# KiCad board explorekb75_square-edge.kicad_pcb
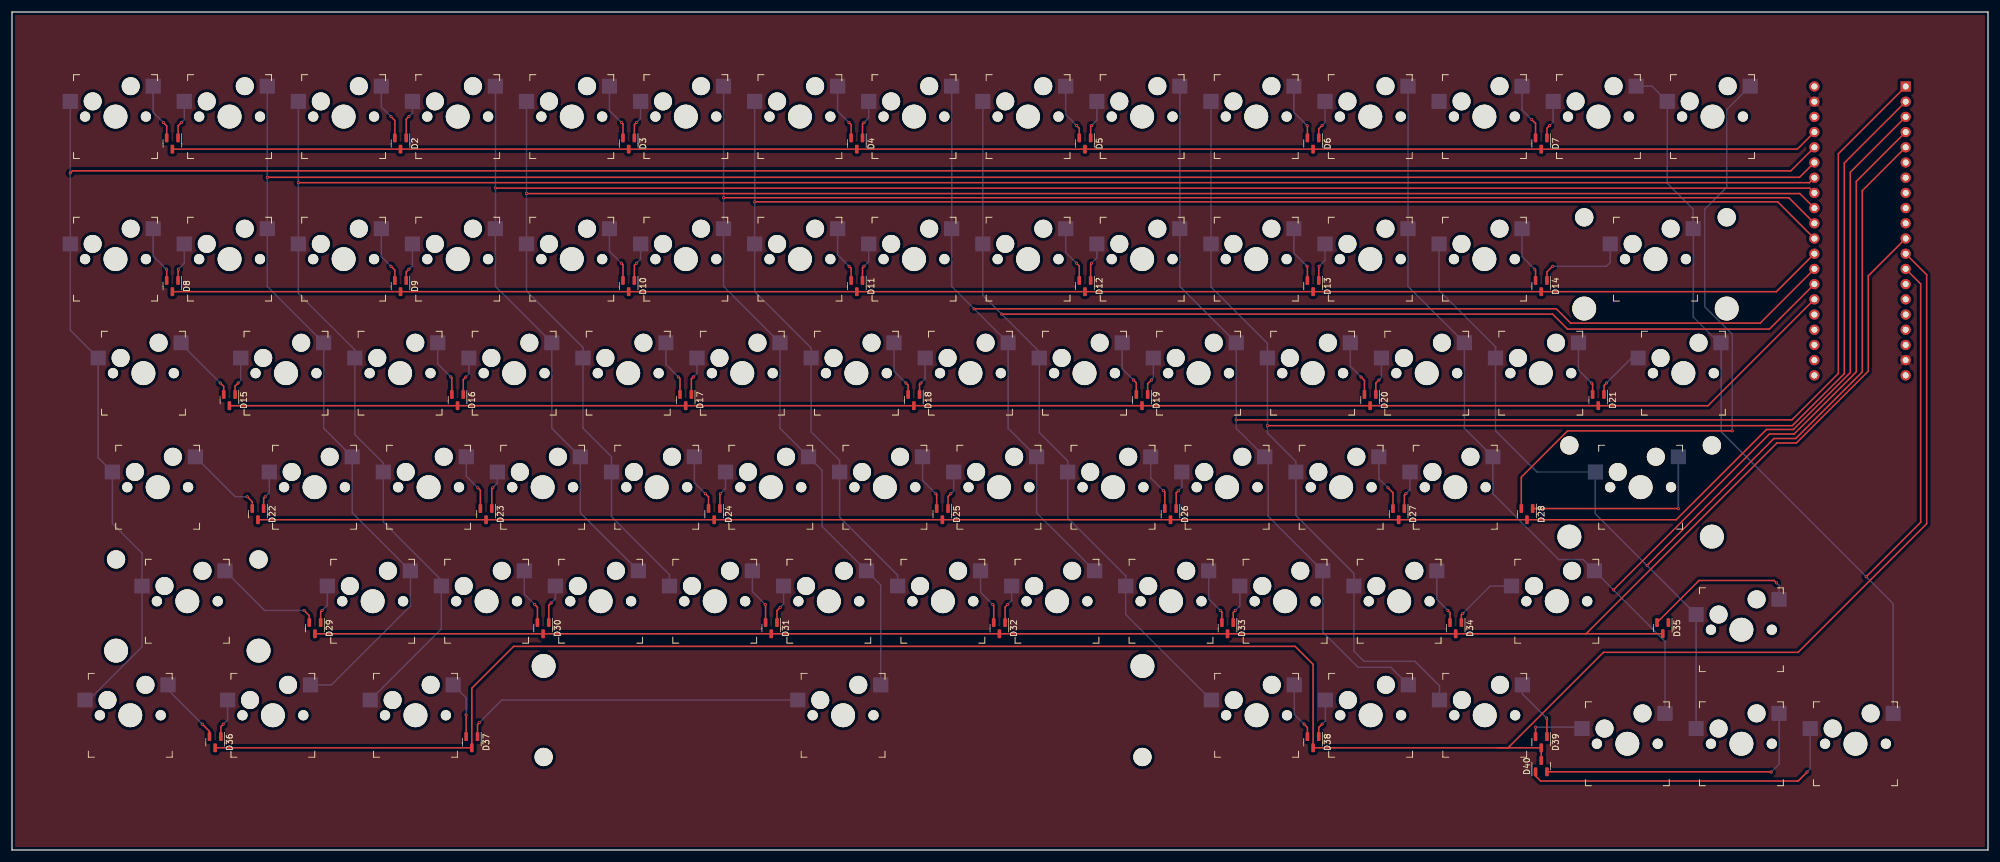
[diagram p0: board, top side]
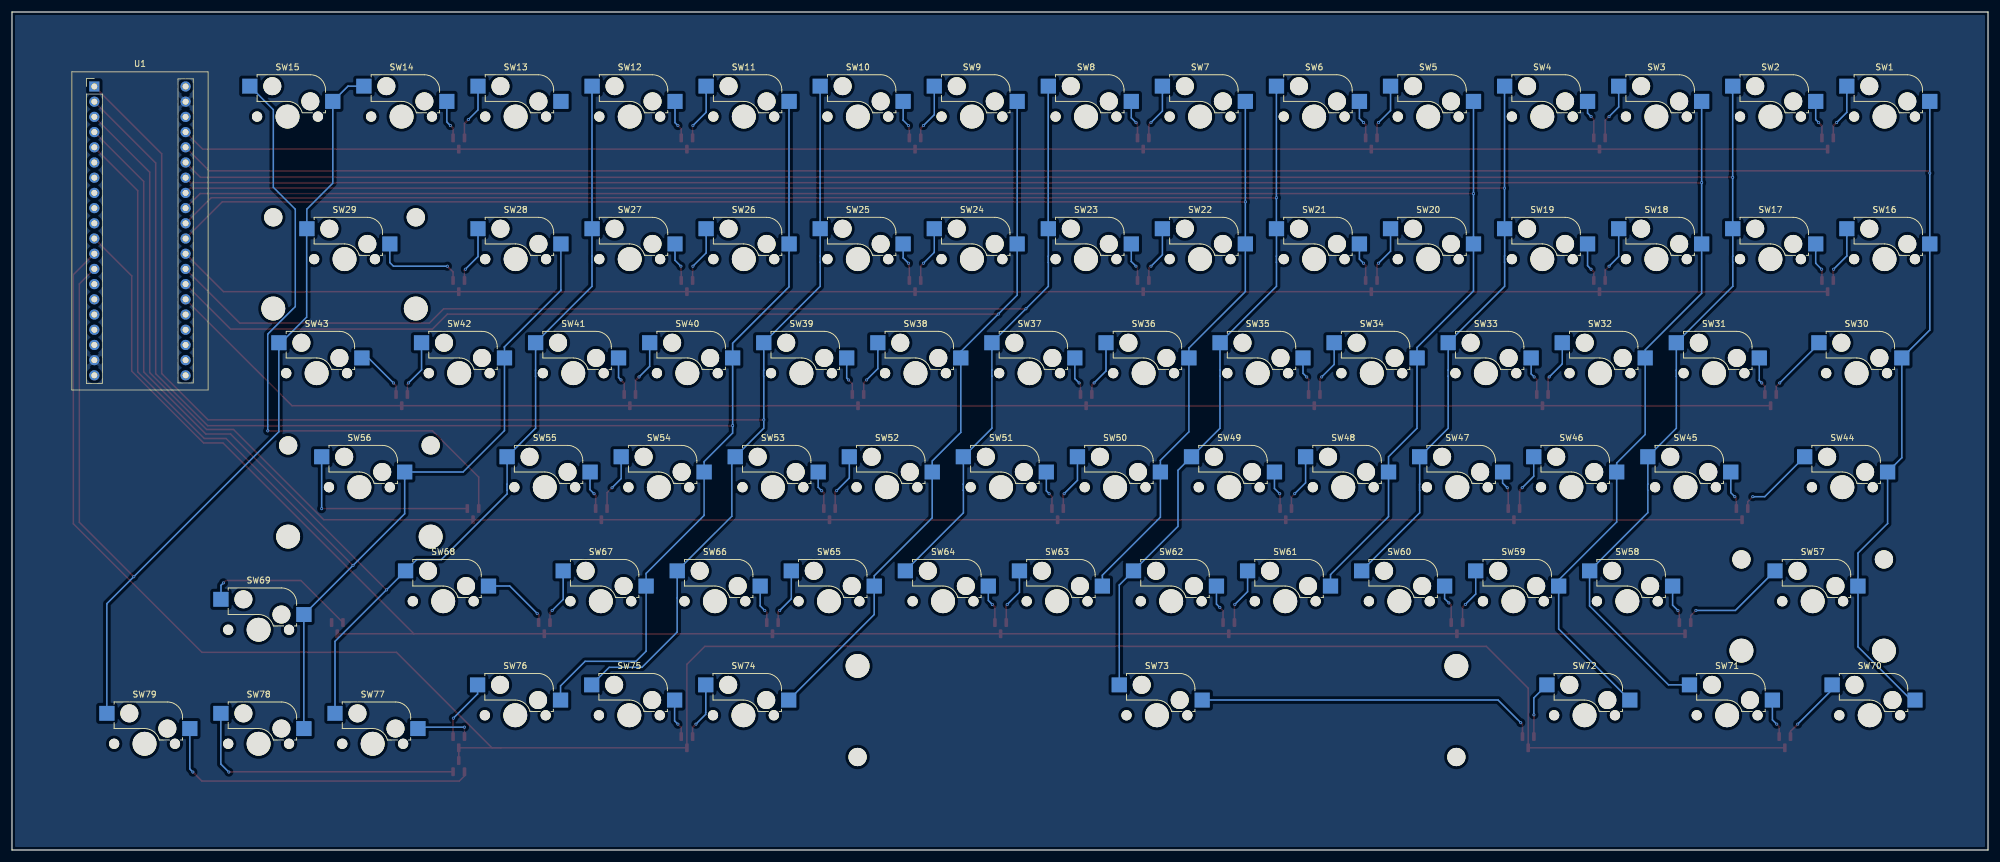
[diagram p1: board, bottom side, seen from below]

Outline 330 x 140 mm; copper layers: Top, Bottom. Coordinates in mm from the lower left corner of the outline.
Outline path: 0,140 330,140 330,0 0,0 0,140
Stack: Top 0.035mm / dielectric 1.51mm FR4 er 4.5 / Bottom 0.035mm

## Placement (name value [footprint] x y rotation side)
D1  BAT54C  [SOT-23]  26.79 118.03 270 top
D2  BAT54C  [SOT-23]  64.89 118.03 270 top
D3  BAT54C  [SOT-23]  102.99 118.03 270 top
D4  BAT54C  [SOT-23]  141.09 118.03 270 top
D5  BAT54C  [SOT-23]  179.19 118.03 270 top
D6  BAT54C  [SOT-23]  217.29 118.03 270 top
D7  BAT54C  [SOT-23]  255.39 118.03 270 top
D8  BAT54C  [SOT-23]  26.79 94.21 270 top
D9  BAT54C  [SOT-23]  64.89 94.21 270 top
D10  BAT54C  [SOT-23]  102.99 94.21 270 top
D11  BAT54C  [SOT-23]  141.09 94.21 270 top
D12  BAT54C  [SOT-23]  179.19 94.21 270 top
D13  BAT54C  [SOT-23]  217.29 94.21 270 top
D14  BAT54C  [SOT-23]  255.39 94.21 270 top
D15  BAT54C  [SOT-23]  36.31 75.16 270 top
D16  BAT54C  [SOT-23]  74.41 75.16 270 top
D17  BAT54C  [SOT-23]  112.51 75.16 270 top
D18  BAT54C  [SOT-23]  150.61 75.16 270 top
D19  BAT54C  [SOT-23]  188.71 75.16 270 top
D20  BAT54C  [SOT-23]  226.81 75.16 270 top
D21  BAT54C  [SOT-23]  264.91 75.16 270 top
D22  BAT54C  [SOT-23]  41.08 56.11 270 top
D23  BAT54C  [SOT-23]  79.17 56.11 270 top
D24  BAT54C  [SOT-23]  117.27 56.11 270 top
D25  BAT54C  [SOT-23]  155.38 56.11 270 top
D26  BAT54C  [SOT-23]  193.48 56.11 270 top
D27  BAT54C  [SOT-23]  231.58 56.11 270 top
D28  BAT54C  [SOT-23]  253.01 56.11 270 top
D29  BAT54C  [SOT-23]  50.6 37.06 270 top
D30  BAT54C  [SOT-23]  88.7 37.06 270 top
D31  BAT54C  [SOT-23]  126.8 37.06 270 top
D32  BAT54C  [SOT-23]  164.9 37.06 270 top
D33  BAT54C  [SOT-23]  203 37.06 270 top
D34  BAT54C  [SOT-23]  241.1 37.06 270 top
D35  BAT54C  [SOT-23]  275.68 37.06 270 top
D36  BAT54C  [SOT-23]  33.93 18.01 270 top
D37  BAT54C  [SOT-23]  76.79 18.01 270 top
D38  BAT54C  [SOT-23]  217.29 18.01 270 top
D39  BAT54C  [SOT-23]  255.39 18.01 270 top
D40  BAT54C  [SOT-23]  255.39 14.01 90 top
STAB1  -  [Stabilizer_MX_2u]  274.46 98.71 0 top
STAB2  -  [Stabilizer_MX_2u]  271.98 60.61 0 top
STAB3  -  [Stabilizer_MX_2u]  29.28 41.56 0 top
STAB4  -  [Stabilizer_Cherry_MX_6.25u]  138.79 22.53 180 top
SW1  SW_SPST  [Kailh_socket_MX]  17.29 122.53 0 top
SW2  SW_SPST  [Kailh_socket_MX]  36.34 122.53 0 top
SW3  SW_SPST  [Kailh_socket_MX]  55.39 122.53 0 top
SW4  SW_SPST  [Kailh_socket_MX]  74.44 122.53 0 top
SW5  SW_SPST  [Kailh_socket_MX]  93.49 122.53 0 top
SW6  SW_SPST  [Kailh_socket_MX]  112.54 122.53 0 top
SW7  SW_SPST  [Kailh_socket_MX]  131.59 122.53 0 top
SW8  SW_SPST  [Kailh_socket_MX]  150.64 122.53 0 top
SW9  SW_SPST  [Kailh_socket_MX]  169.69 122.53 0 top
SW10  SW_SPST  [Kailh_socket_MX]  188.74 122.53 0 top
SW11  SW_SPST  [Kailh_socket_MX]  207.79 122.53 0 top
SW12  SW_SPST  [Kailh_socket_MX]  226.84 122.53 0 top
SW13  SW_SPST  [Kailh_socket_MX]  245.89 122.53 0 top
SW14  SW_SPST  [Kailh_socket_MX]  264.94 122.53 0 top
SW15  SW_SPST  [Kailh_socket_MX]  283.99 122.53 0 top
SW16  SW_SPST  [Kailh_socket_MX]  17.29 98.71 0 top
SW17  SW_SPST  [Kailh_socket_MX]  36.34 98.71 0 top
SW18  SW_SPST  [Kailh_socket_MX]  55.39 98.71 0 top
SW19  SW_SPST  [Kailh_socket_MX]  74.44 98.71 0 top
SW20  SW_SPST  [Kailh_socket_MX]  93.49 98.71 0 top
SW21  SW_SPST  [Kailh_socket_MX]  112.54 98.71 0 top
SW22  SW_SPST  [Kailh_socket_MX]  131.59 98.71 0 top
SW23  SW_SPST  [Kailh_socket_MX]  150.64 98.71 0 top
SW24  SW_SPST  [Kailh_socket_MX]  169.69 98.71 0 top
SW25  SW_SPST  [Kailh_socket_MX]  188.74 98.71 0 top
SW26  SW_SPST  [Kailh_socket_MX]  207.79 98.71 0 top
SW27  SW_SPST  [Kailh_socket_MX]  226.84 98.71 0 top
SW28  SW_SPST  [Kailh_socket_MX]  245.89 98.71 0 top
SW29  SW_SPST  [Kailh_socket_MX]  274.46 98.71 0 top
SW30  SW_SPST  [Kailh_socket_MX]  21.95 79.66 0 top
SW31  SW_SPST  [Kailh_socket_MX]  45.76 79.66 0 top
SW32  SW_SPST  [Kailh_socket_MX]  64.81 79.66 0 top
SW33  SW_SPST  [Kailh_socket_MX]  83.86 79.66 0 top
SW34  SW_SPST  [Kailh_socket_MX]  102.91 79.66 0 top
SW35  SW_SPST  [Kailh_socket_MX]  121.96 79.66 0 top
SW36  SW_SPST  [Kailh_socket_MX]  141.01 79.66 0 top
SW37  SW_SPST  [Kailh_socket_MX]  160.06 79.66 0 top
SW38  SW_SPST  [Kailh_socket_MX]  179.11 79.66 0 top
SW39  SW_SPST  [Kailh_socket_MX]  198.16 79.66 0 top
SW40  SW_SPST  [Kailh_socket_MX]  217.21 79.66 0 top
SW41  SW_SPST  [Kailh_socket_MX]  236.26 79.66 0 top
SW42  SW_SPST  [Kailh_socket_MX]  255.31 79.66 0 top
SW43  SW_SPST  [Kailh_socket_MX]  279.12 79.66 0 top
SW44  SW_SPST  [Kailh_socket_MX]  24.33 60.61 0 top
SW45  SW_SPST  [Kailh_socket_MX]  50.53 60.61 0 top
SW46  SW_SPST  [Kailh_socket_MX]  69.58 60.61 0 top
SW47  SW_SPST  [Kailh_socket_MX]  88.63 60.61 0 top
SW48  SW_SPST  [Kailh_socket_MX]  107.67 60.61 0 top
SW49  SW_SPST  [Kailh_socket_MX]  126.73 60.61 0 top
SW50  SW_SPST  [Kailh_socket_MX]  145.77 60.61 0 top
SW51  SW_SPST  [Kailh_socket_MX]  164.82 60.61 0 top
SW52  SW_SPST  [Kailh_socket_MX]  183.88 60.61 0 top
SW53  SW_SPST  [Kailh_socket_MX]  202.93 60.61 0 top
SW54  SW_SPST  [Kailh_socket_MX]  221.98 60.61 0 top
SW55  SW_SPST  [Kailh_socket_MX]  241.03 60.61 0 top
SW56  SW_SPST  [Kailh_socket_MX]  271.98 60.61 0 top
SW57  SW_SPST  [Kailh_socket_MX]  29.28 41.56 0 top
SW58  SW_SPST  [Kailh_socket_MX]  60.24 41.56 0 top
SW59  SW_SPST  [Kailh_socket_MX]  79.26 41.56 0 top
SW60  SW_SPST  [Kailh_socket_MX]  98.31 41.56 0 top
SW61  SW_SPST  [Kailh_socket_MX]  117.36 41.56 0 top
SW62  SW_SPST  [Kailh_socket_MX]  136.41 41.56 0 top
SW63  SW_SPST  [Kailh_socket_MX]  155.46 41.56 0 top
SW64  SW_SPST  [Kailh_socket_MX]  174.51 41.56 0 top
SW65  SW_SPST  [Kailh_socket_MX]  193.56 41.56 0 top
SW66  SW_SPST  [Kailh_socket_MX]  212.61 41.56 0 top
SW67  SW_SPST  [Kailh_socket_MX]  231.66 41.56 0 top
SW68  SW_SPST  [Kailh_socket_MX]  257.98 41.56 0 top
SW69  SW_SPST  [Kailh_socket_MX]  288.81 36.8 0 top
SW70  SW_SPST  [Kailh_socket_MX]  19.76 22.51 0 top
SW71  SW_SPST  [Kailh_socket_MX]  43.57 22.51 0 top
SW72  SW_SPST  [Kailh_socket_MX]  67.38 22.51 0 top
SW73  SW_SPST  [Kailh_socket_MX]  138.79 22.51 0 top
SW74  SW_SPST  [Kailh_socket_MX]  207.85 22.51 0 top
SW75  SW_SPST  [Kailh_socket_MX]  226.9 22.51 0 top
SW76  SW_SPST  [Kailh_socket_MX]  245.95 22.51 0 top
SW77  SW_SPST  [Kailh_socket_MX]  269.76 17.75 0 top
SW78  SW_SPST  [Kailh_socket_MX]  288.81 17.75 0 top
SW79  SW_SPST  [Kailh_socket_MX]  307.86 17.75 0 top
U1  YAAJ_WeAct_BlackPill_Part_Like  [YAAJ_WeAct_BlackPill_2]  316.25 127.56 180 bottom

## Footprints (pads in the part's own frame, mm; a bottom-side part is the same pattern mirrored in y, then rotated)
Kailh_socket_MX
  round 1.702 hole 1.702 unplated: (-5.08,0) (5.08,0)
  round 3 hole 3 unplated: (-3.81,2.54) (2.54,5.08)
  round 3.988 hole 3.988 unplated: (0,0)
  rect 2.55x2.5 smd far side: 1(6.29,5.08) 2(-7.56,2.54)
SOT-23
  rrect 1.475x0.6 smd: 1(-0.938,0.95) 2(-0.938,-0.95) 3(0.938,0)
Stabilizer_Cherry_MX_6.25u
  round 3.048 hole 3.048 unplated: (-50,6.985) (50,6.985)
  round 3.988 hole 3.988 unplated: (-50,-8.225) (50,-8.225)
Stabilizer_MX_2u
  round 3.048 hole 3.048 unplated: (-11.9,6.985) (11.9,6.985)
  round 3.988 hole 3.988 unplated: (-11.9,-8.255) (11.9,-8.255)
YAAJ_WeAct_BlackPill_2
  rect 1.7x1.7 hole 1: 1(0,0)
  round 1.7 hole 1: 2(0,-2.54) 3(0,-5.08) 4(0,-7.62) 5(0,-10.16) 6(0,-12.7) 7(0,-15.24) 8(0,-17.78) 9(0,-20.32) 10(0,-22.86) 11(0,-25.4) 12(0,-27.94) 13(0,-30.48) 14(0,-33.02) 15(0,-35.56) 16(0,-38.1) 17(0,-40.64) 18(0,-43.18) 19(0,-45.72) 20(0,-48.26) 21(15.24,-48.26) 22(15.24,-45.72) 23(15.24,-43.18) 24(15.24,-40.64) 25(15.24,-38.1) 26(15.24,-35.56) 27(15.24,-33.02) 28(15.24,-30.48) 29(15.24,-27.94) 30(15.24,-25.4) 31(15.24,-22.86) 32(15.24,-20.32) 33(15.24,-17.78) 34(15.24,-15.24) 35(15.24,-12.7) 36(15.24,-10.16) 37(15.24,-7.62) 38(15.24,-5.08) 39(15.24,-2.54) 40(15.24,0)

## Nets
GND: U1.19 U1.39
/COL 0: SW1.2 SW16.2 SW30.2 SW44.2 SW57.2 SW70.2 U1.36
/COL 1: SW2.1 SW17.1 SW31.1 SW45.1 SW58.1 SW71.1 U1.35
/COL 2: SW3.2 SW18.2 SW32.2 SW46.2 SW59.2 SW72.2 U1.34
/COL 3: SW4.1 SW19.1 SW33.1 SW47.1 SW60.1 U1.33
/COL 4: SW5.2 SW20.2 SW34.2 SW48.2 SW61.2 U1.32
/COL 5: SW6.1 SW21.1 SW35.1 SW49.1 SW62.1 SW73.1 U1.31
/COL 6: SW7.2 SW22.2 SW36.2 SW50.2 SW63.2 U1.30
/COL 7: SW8.1 SW23.1 SW37.1 SW51.1 SW64.1 U1.28
/COL 8: SW9.2 SW24.2 SW38.2 SW52.2 SW65.2 SW74.2 U1.27
/COL 9: SW10.1 SW25.1 SW39.1 SW53.1 SW66.1 SW75.1 U1.1
/COL 10: SW11.2 SW26.2 SW40.2 SW54.2 SW67.2 SW76.2 U1.2
/COL 11: SW12.1 SW27.1 SW41.1 SW55.1 SW68.1 SW77.1 U1.4
/COL 12: SW13.2 SW28.2 SW42.2 SW56.2 SW69.2 SW78.2 U1.5
/COL 13: SW14.1 SW15.2 SW29.1 SW43.1 SW79.1 U1.13
/ROW 0: D1.3 D2.3 D3.3 D4.3 D5.3 D6.3 D7.3 U1.37
/ROW 1: D8.3 D9.3 D10.3 D11.3 D12.3 D13.3 D14.3 U1.29
/ROW 2: D15.3 D16.3 D17.3 D18.3 D19.3 D20.3 D21.3 U1.26
/ROW 3: D22.3 D23.3 D24.3 D25.3 D26.3 D27.3 D28.3 U1.3
/ROW 4: D29.3 D30.3 D31.3 D32.3 D33.3 D34.3 D35.3 U1.11
/ROW 5: D36.3 D37.3 D38.3 D39.3 D40.3 U1.12
/~{RST}: U1.25
Net-(D1-Pad1): D1.1 SW2.2
Net-(D1-Pad2): D1.2 SW1.1
Net-(D2-Pad1): D2.1 SW4.2
Net-(D2-Pad2): D2.2 SW3.1
Net-(D3-Pad1): D3.1 SW6.2
Net-(D3-Pad2): D3.2 SW5.1
Net-(D4-Pad1): D4.1 SW8.2
Net-(D4-Pad2): D4.2 SW7.1
Net-(D5-Pad1): D5.1 SW10.2
Net-(D5-Pad2): D5.2 SW9.1
Net-(D6-Pad1): D6.1 SW12.2
Net-(D6-Pad2): D6.2 SW11.1
Net-(D7-Pad1): D7.1 SW14.2
Net-(D8-Pad1): D8.1 SW17.2
Net-(D8-Pad2): D8.2 SW16.1
Net-(D9-Pad1): D9.1 SW19.2
Net-(D10-Pad1): D10.1 SW21.2
Net-(D10-Pad2): D10.2 SW20.1
Net-(D11-Pad1): D11.1 SW23.2
Net-(D12-Pad1): D12.1 SW25.2
Net-(D12-Pad2): D12.2 SW24.1
Net-(D13-Pad1): D13.1 SW27.2
Net-(D13-Pad2): D13.2 SW26.1
Net-(D14-Pad1): D14.1 SW29.2
Net-(D14-Pad2): D14.2 SW28.1
Net-(D15-Pad1): D15.1 SW31.2
Net-(D15-Pad2): D15.2 SW30.1
Net-(D16-Pad1): D16.1 SW33.2
Net-(D16-Pad2): D16.2 SW32.1
Net-(D17-Pad1): D17.1 SW35.2
Net-(D17-Pad2): D17.2 SW34.1
Net-(D18-Pad1): D18.1 SW37.2
Net-(D18-Pad2): D18.2 SW36.1
Net-(D19-Pad1): D19.1 SW39.2
Net-(D19-Pad2): D19.2 SW38.1
Net-(D20-Pad1): D20.1 SW41.2
Net-(D20-Pad2): D20.2 SW40.1
Net-(D21-Pad1): D21.1 SW43.2
Net-(D21-Pad2): D21.2 SW42.1
Net-(D22-Pad1): D22.1 SW45.2
Net-(D22-Pad2): D22.2 SW44.1
Net-(D23-Pad1): D23.1 SW47.2
Net-(D23-Pad2): D23.2 SW46.1
Net-(D24-Pad1): D24.1 SW49.2
Net-(D24-Pad2): D24.2 SW48.1
Net-(D25-Pad1): D25.1 SW51.2
Net-(D25-Pad2): D25.2 SW50.1
Net-(D26-Pad1): D26.1 SW53.2
Net-(D26-Pad2): D26.2 SW52.1
Net-(D27-Pad1): D27.1 SW55.2
Net-(D27-Pad2): D27.2 SW54.1
Net-(D28-Pad1): D28.1 SW56.1
Net-(D28-Pad2): D28.2 SW15.1
Net-(D29-Pad1): D29.1 SW58.2
Net-(D29-Pad2): D29.2 SW57.1
Net-(D30-Pad1): D30.1 SW60.2
Net-(D30-Pad2): D30.2 SW59.1
Net-(D31-Pad1): D31.1 SW62.2
Net-(D31-Pad2): D31.2 SW61.1
Net-(D32-Pad1): D32.1 SW64.2
Net-(D32-Pad2): D32.2 SW63.1
Net-(D33-Pad1): D33.1 SW66.2
Net-(D33-Pad2): D33.2 SW65.1
Net-(D34-Pad1): D34.1 SW68.2
Net-(D34-Pad2): D34.2 SW67.1
Net-(D35-Pad2): D35.2 SW69.1
Net-(D36-Pad1): D36.1 SW71.2
Net-(D36-Pad2): D36.2 SW70.1
Net-(D37-Pad1): D37.1 SW73.2
Net-(D37-Pad2): D37.2 SW72.1
Net-(D38-Pad1): D38.1 SW75.2
Net-(D38-Pad2): D38.2 SW74.1
Net-(D39-Pad1): D39.1 SW76.1
Net-(D39-Pad2): D39.2 SW77.2
Net-(D40-Pad1): D40.1 SW79.2
Net-(D40-Pad2): D40.2 SW78.1
Net-(SW13-Pad1): D7.2 SW13.1
Net-(SW18-Pad1): D9.2 SW18.1
Net-(SW22-Pad1): D11.2 SW22.1

Pads without a net: D35 1; U1 6 7 8 9 10 14 15 16 17 18 20 21 22 23 24 38 40

## Via types
v1: diameter 0.5, hole 0.25, Top to Bottom, 93 vias

## Routing (per net, layer and track width the routed paths; a pad name or vN(x,y) marks a point on that pad's centre or on a via; arc(x,y) is an arc through that point)
/COL 0: length 402.4
  Top w0.25: U1.36 297.07,113.46 10.1,113.46 v1(9.73,113.09)
  Bottom w0.25: SW70.2 12.81,25.05 21.72,33.96 SW57.2 21.72,49.59 16.77,54.54 SW44.2 14.39,65.53 SW30.2 9.73,86.87 SW16.2 9.73,125.07
/COL 1: length 378.3
  Top w0.25: U1.35 298.53,112.38 v1(42.64,112.38)
  Bottom w0.25: SW2.1 42.64,127.59 42.64,103.81 SW17.1 42.63,99.24 42.64,99.22 42.64,98.2 42.63,98.19 42.63,94.17 SW31.1 52.05,80.19 52.07,80.17 52.07,79.15 52.05,79.14 52.05,70.46 SW45.1 56.81,61.14 56.83,61.12 56.83,60.1 56.81,60.09 56.81,56.36 SW58.1 66.54,46.63 66.54,40.78 53.36,27.59 SW71.1
/COL 2: length 368.3
  Top w0.25: U1.34 300.18,111.49 v1(47.83,111.49)
  Bottom w0.25: SW72.2 71.7,36.93 SW59.2 71.7,45.11 62.02,54.8 SW46.2 62.02,64.65 57.25,69.42 SW32.2 57.25,83.56 47.83,92.99 SW18.2 47.83,125.07
/COL 3: length 311.5
  Top w0.25: U1.33 300.21,110.57 v1(80.74,110.57)
  Bottom w0.25: SW60.1 94.92,56.33 94.92,60.09 94.93,60.1 94.93,61.12 94.92,61.14 SW47.1 90.15,70.46 90.15,79.14 90.17,79.15 90.17,80.17 90.15,80.19 SW33.1 80.73,94.17 80.73,98.19 80.74,98.2 80.74,99.22 80.73,99.24 SW19.1 80.74,103.81 80.74,127.59 SW4.1
/COL 4: length 306.9
  Top w0.25: U1.32 298.58,109.67 v1(85.93,109.67)
  Bottom w0.25: 85.93,125.07 SW20.2 85.93,93.39 95.35,83.96 SW34.2 95.35,70.46 100.11,65.7 SW48.2 100.11,55.7 109.8,46.01 SW61.2
/COL 5: length 294.9
  Top w0.25: v1(118.84,108.97) 296.73,108.97 U1.31
  Bottom w0.25: SW73.1 145.08,44.26 SW62.1 135.29,54.06 135.29,63.42 SW49.1 128.25,70.46 128.25,79.14 128.27,79.15 128.27,80.17 128.25,80.19 SW35.1 118.83,94.17 118.83,98.19 118.84,98.2 118.84,99.22 118.83,99.24 SW21.1 118.84,103.81 118.84,127.59 SW6.1
/COL 6: length 270.4
  Top w0.25: v1(124.03,108.29) 294.88,108.29 U1.30
  Bottom w0.25: SW63.2 147.9,45.91 138.22,55.6 SW50.2 138.22,65.1 133.45,69.86 SW36.2 133.45,83.86 124.03,93.29 SW22.2 124.03,125.07
/COL 7: length 236
  Top w0.25: v1(160.68,90.42) 257.9,90.42 260.29,88.03 291.96,88.03 U1.28
  Bottom w0.25: SW8.1 156.94,127.59 156.94,103.81 SW23.1 156.93,99.24 156.94,99.22 156.94,98.2 156.93,98.19 156.93,94.17 SW37.1 166.35,80.19 166.37,80.17 166.37,79.15 166.35,79.14 166.35,70.46 SW51.1 171.12,61.14 171.13,61.12 171.13,60.1 171.12,60.09 171.12,56.33 SW64.1
/COL 8: length 255.7
  Top w0.25: U1.27 293.5,87.03 259.79,87.03 257.29,89.53 v1(165.29,89.53)
  Bottom w0.25: 162.13,125.07 SW24.2 162.13,92.69 171.55,83.26 SW38.2 171.55,69.76 176.31,65 SW52.2 176.31,55.5 186,45.81 SW65.2 186,39.34 SW74.2
/COL 9: length 275.4
  Top w0.25: v1(204.45,71.86) 297.26,71.86 305,79.6 305,116.31 U1.1
  Bottom w0.25: SW75.1 230.26,30.53 224.79,30.53 218.92,36.39 218.92,42.07 218.9,42.09 SW66.1 209.79,55.76 209.79,65.12 SW53.1 204.45,70.46 204.45,79.14 204.47,79.15 204.47,80.17 204.45,80.19 SW39.1 195.03,94.17 195.03,98.19 195.04,98.2 195.04,99.22 195.03,99.24 SW25.1 195.04,103.81 195.04,127.59 SW10.1
/COL 10: length 270.4
  Top w0.25: U1.2 306,114.77 306,79.58 297.32,70.89 v1(209.65,70.89)
  Bottom w0.25: 200.23,125.07 SW26.2 200.23,94.09 209.65,84.66 SW40.2 209.65,69.66 214.42,64.9 SW54.2 214.42,55.9 224.1,46.21 SW67.2 224.1,33.21 225.79,31.53 234.29,31.53 238.39,27.42 SW76.2
/COL 11: length 224.1
  Top w0.25: v1(267.46,43.46) 293.5,69.5 297.62,69.5 308,79.88 308,111.69 U1.4
  Bottom w0.25: SW77.1 276.05,34.86 SW68.1 262.4,48.52 258.29,48.52 247.31,59.5 247.31,60.09 247.33,60.1 247.33,61.12 247.31,61.14 SW55.1 242.55,70.46 242.55,79.14 242.57,79.15 242.57,80.17 242.55,80.19 SW41.1 233.13,94.17 233.13,98.19 233.14,98.2 233.14,99.22 233.13,99.24 SW27.1 233.14,103.81 233.14,127.59 SW12.1
/COL 12: length 194.4
  Top w0.25: v1(273.05,47.55) 294.25,68.75 297.88,68.75 309,79.87 309,110.15 U1.5
  Bottom w0.25: SW78.2 SW69.2 v1(273.05,47.55) 264.42,56.17 SW56.2 254.66,63.15 247.75,70.06 SW42.2 247.75,83.99 247.79,84.03 238.33,93.49 SW28.2
/COL 13: length 180.5
  Top w0.25: U1.13 318.75,94.57 318.75,54.75 v1(309.66,45.66)
  Bottom w0.25: SW79.1 314.15,41.16 285.43,69.88 285.43,84.73 SW43.1 285.07,84.74 280.79,89.03 280.79,103.76 SW29.1 280.75,107.06 276.43,111.39 276.43,125.07 273.89,127.61 SW14.1
/ROW 0: length 275.4
  Top w0.25: D1.3 D2.3 D3.3 D4.3 D5.3 D6.3 D7.3 298.16,117.09 U1.37
/ROW 1: length 276.8
  Top w0.25: D8.3 D9.3 D14.3 294.67,93.28 U1.29
/ROW 2: length 272.1
  Top w0.25: U1.26 283.24,74.23 D21.3 D15.3
/ROW 3: length 322.7
  Top w0.25: D22.3 D28.3 277.93,55.18 293,70.25 297.49,70.25 307,79.76 307,113.23 U1.3
/ROW 4: length 315.1
  Top w0.25: 262.88,36.13 D32.3 D31.3 D29.3 ; 262.88,36.13 294.75,68 298,68 310,80 310,95.91 U1.11 ; 262.88,36.13 D35.3
/ROW 5: length 385.1
  Top w0.25: D36.3 D37.3 76.79,27.03 83.79,34.03 214.29,34.03 217.29,31.03 D38.3 248.34,17.08 ; 248.34,17.08 D39.3 D40.3 ; 248.34,17.08 249.84,17.08 265.79,33.03 298.28,33.03 319.75,54.5 319.75,96.11 U1.12
Net-(D1-Pad1): length 6.5
  Top w0.25: D1.1 27.74,120.98 v1(28.29,121.53)
  Bottom w0.25: v1(28.29,121.53) 28.78,122.02 28.78,125.07
Net-(D1-Pad2): length 9.6
  Top w0.25: v1(25.29,121.53) 25.84,120.98 D1.2
  Bottom w0.25: SW1.1 23.58,123.24 v1(25.29,121.53)
Net-(D2-Pad1): length 6.5
  Top w0.25: D2.1 65.84,122.08 v1(66.29,122.53)
  Bottom w0.25: v1(66.29,122.53) 66.88,123.12 66.88,125.07
Net-(D2-Pad2): length 9.6
  Top w0.25: v1(63.29,122.53) 63.94,121.88 D2.2
  Bottom w0.25: SW3.1 61.68,124.14 v1(63.29,122.53)
Net-(D3-Pad1): length 6.5
  Top w0.25: D3.1 103.94,121.18 v1(104.29,121.53)
  Bottom w0.25: v1(104.29,121.53) 104.98,122.22 104.98,125.07
Net-(D3-Pad2): length 9.6
  Top w0.25: D3.2 102.04,121.28 v1(101.79,121.53)
  Bottom w0.25: SW5.1 99.78,123.54 v1(101.79,121.53)
Net-(D4-Pad1): length 6.5
  Top w0.25: v1(142.29,121.53) 142.04,121.28 D4.1
  Bottom w0.25: v1(142.29,121.53) 143.08,122.32 143.08,125.07
Net-(D4-Pad2): length 9.6
  Top w0.25: D4.2 140.14,121.18 v1(139.79,121.53)
  Bottom w0.25: SW7.1 137.88,123.44 v1(139.79,121.53)
Net-(D5-Pad1): length 6.5
  Top w0.25: v1(180.29,121.03) 180.14,120.88 D5.1
  Bottom w0.25: 181.18,125.07 181.18,121.92 v1(180.29,121.03)
Net-(D5-Pad2): length 9.6
  Top w0.25: v1(177.79,121.03) 178.24,120.58 D5.2
  Bottom w0.25: SW9.1 175.98,122.84 v1(177.79,121.03)
Net-(D6-Pad1): length 6.5
  Top w0.25: D6.1 218.24,120.48 v1(218.79,121.03)
  Bottom w0.25: v1(218.79,121.03) 219.28,121.52 219.28,125.07
Net-(D6-Pad2): length 9.6
  Top w0.25: D6.2 216.34,120.98 v1(216.29,121.03)
  Bottom w0.25: v1(216.29,121.03) 214.08,123.24 SW11.1
Net-(D7-Pad1): length 6.5
  Top w0.25: v1(256.79,121.03) 256.34,120.58 D7.1
  Bottom w0.25: v1(256.79,121.03) 257.38,121.62 257.38,125.07
Net-(D8-Pad1): length 6.5
  Top w0.25: D8.1 27.74,96.98 v1(27.79,97.03)
  Bottom w0.25: SW17.2 28.78,98.02 v1(27.79,97.03)
Net-(D8-Pad2): length 9.6
  Top w0.25: v1(25.79,97.03) 25.84,96.98 D8.2
  Bottom w0.25: SW16.1 23.58,99.24 v1(25.79,97.03)
Net-(D9-Pad1): length 6.5
  Top w0.25: v1(66.29,97.03) 65.84,96.58 D9.1
  Bottom w0.25: v1(66.29,97.03) 66.88,97.62 SW19.2
Net-(D10-Pad1): length 6.5
  Top w0.25: D10.1 103.94,97.68 v1(104.29,98.03)
  Bottom w0.25: SW21.2 104.98,98.72 v1(104.29,98.03)
Net-(D10-Pad2): length 9.6
  Top w0.25: D10.2 102.04,97.78 v1(101.79,98.03)
  Bottom w0.25: v1(101.79,98.03) 99.78,100.04 SW20.1
Net-(D11-Pad1): length 6.5
  Top w0.25: v1(142.29,97.53) 142.04,97.28 D11.1
  Bottom w0.25: SW23.2 143.08,98.32 v1(142.29,97.53)
Net-(D12-Pad1): length 6.5
  Top w0.25: D12.1 180.14,97.88 v1(180.29,98.03)
  Bottom w0.25: SW25.2 181.18,98.92 v1(180.29,98.03)
Net-(D12-Pad2): length 9.6
  Top w0.25: v1(177.79,98.03) 178.24,97.58 D12.2
  Bottom w0.25: v1(177.79,98.03) 175.98,99.84 SW24.1
Net-(D13-Pad1): length 6.5
  Top w0.25: D13.1 218.24,97.48 v1(218.29,97.53)
  Bottom w0.25: v1(218.29,97.53) 219.28,98.52 SW27.2
Net-(D13-Pad2): length 9.6
  Top w0.25: D13.2 216.34,97.48 v1(216.29,97.53)
  Bottom w0.25: SW26.1 214.08,99.74 v1(216.29,97.53)
Net-(D14-Pad1): length 15.8
  Top w0.25: v1(257.29,97.53) 256.34,96.58 D14.1
  Bottom w0.25: v1(257.29,97.53) 266.29,97.53 266.9,98.14 SW29.2
Net-(D14-Pad2): length 9.6
  Top w0.25: v1(254.29,97.03) 254.44,96.88 D14.2
  Bottom w0.25: SW28.1 252.18,99.14 v1(254.29,97.03)
Net-(D15-Pad1): length 6.5
  Top w0.25: D15.1 37.26,77.5 v1(37.79,78.03)
  Bottom w0.25: SW31.2 38.2,78.44 v1(37.79,78.03)
Net-(D15-Pad2): length 11.6
  Top w0.25: D15.2 35.36,77.45 v1(34.79,78.03)
  Bottom w0.25: SW30.1 28.24,84.57 v1(34.79,78.03)
Net-(D16-Pad1): length 6.5
  Top w0.25: D16.1 75.36,78.6 v1(75.79,79.03)
  Bottom w0.25: v1(75.79,79.03) 76.3,79.54 SW33.2
Net-(D16-Pad2): length 9.6
  Top w0.25: v1(73.29,79.03) 73.46,78.85 D16.2
  Bottom w0.25: v1(73.29,79.03) 71.1,81.21 SW32.1
Net-(D17-Pad1): length 6.5
  Top w0.25: v1(113.79,79.03) 113.46,78.7 D17.1
  Bottom w0.25: SW35.2 114.4,79.64 v1(113.79,79.03)
Net-(D17-Pad2): length 9.6
  Top w0.25: v1(111.29,79.03) 111.56,78.75 D17.2
  Bottom w0.25: v1(111.29,79.03) 109.2,81.11 SW34.1
Net-(D18-Pad1): length 6.5
  Top w0.25: D18.1 151.56,77.8 v1(151.79,78.03)
  Bottom w0.25: v1(151.79,78.03) 152.5,78.74 SW37.2
Net-(D18-Pad2): length 9.6
  Top w0.25: v1(149.29,78.03) 149.66,77.65 D18.2
  Bottom w0.25: v1(149.29,78.03) 147.3,80.01 SW36.1
Net-(D19-Pad1): length 6.5
  Top w0.25: v1(190.29,78.53) 189.66,77.9 D19.1
  Bottom w0.25: SW39.2 190.6,78.84 v1(190.29,78.53)
Net-(D19-Pad2): length 9.6
  Top w0.25: v1(187.29,78.53) 187.76,78.05 D19.2
  Bottom w0.25: SW38.1 185.4,80.41 v1(187.29,78.53)
Net-(D20-Pad1): length 6.5
  Top w0.25: v1(228.29,78.53) 227.76,78 D20.1
  Bottom w0.25: SW41.2 228.7,78.94 v1(228.29,78.53)
Net-(D20-Pad2): length 9.6
  Top w0.25: D20.2 225.86,78.45 v1(225.29,79.03)
  Bottom w0.25: SW40.1 223.5,80.81 v1(225.29,79.03)
Net-(D21-Pad1): length 9.1
  Top w0.25: v1(266.29,78.03) 265.86,77.6 D21.1
  Bottom w0.25: SW43.2 270.47,82.2 v1(266.29,78.03)
Net-(D21-Pad2): length 9.6
  Top w0.25: D21.2 263.96,77.85 v1(263.79,78.03)
  Bottom w0.25: v1(263.79,78.03) 261.6,80.21 SW42.1
Net-(D22-Pad1): length 6.5
  Top w0.25: v1(42.29,59.03) 42.03,58.76 D22.1
  Bottom w0.25: v1(42.29,59.03) 42.97,59.7 SW45.2
Net-(D22-Pad2): length 13.7
  Top w0.25: v1(39.29,59.03) 40.12,58.19 D22.2
  Bottom w0.25: v1(39.29,59.03) 37.29,59.03 SW44.1
Net-(D23-Pad1): length 6.5
  Top w0.25: D23.1 80.13,60.36 v1(80.29,60.53)
  Bottom w0.25: v1(80.29,60.53) 81.07,61.3 SW47.2
Net-(D23-Pad2): length 9.6
  Top w0.25: v1(77.79,60.53) 78.23,60.09 D23.2
  Bottom w0.25: SW46.1 75.86,62.45 v1(77.79,60.53)
Net-(D24-Pad1): length 6.5
  Top w0.25: D24.1 118.23,59.46 v1(118.29,59.53)
  Bottom w0.25: v1(118.29,59.53) 119.17,60.4 SW49.2
Net-(D24-Pad2): length 9.6
  Top w0.25: D24.2 116.33,58.99 v1(115.79,59.53)
  Bottom w0.25: SW48.1 113.97,61.35 v1(115.79,59.53)
Net-(D25-Pad1): length 6.5
  Top w0.25: D25.1 156.32,59.06 v1(156.79,59.53)
  Bottom w0.25: v1(156.79,59.53) 157.26,60 SW51.2
Net-(D25-Pad2): length 9.6
  Top w0.25: D25.2 154.43,59.39 v1(154.29,59.53)
  Bottom w0.25: SW50.1 152.06,61.75 v1(154.29,59.53)
Net-(D26-Pad1): length 6.5
  Top w0.25: D26.1 194.43,59.66 v1(194.79,60.03)
  Bottom w0.25: SW53.2 195.37,60.6 v1(194.79,60.03)
Net-(D26-Pad2): length 9.6
  Top w0.25: D26.2 192.53,59.79 v1(192.29,60.03)
  Bottom w0.25: SW52.1 190.17,62.15 v1(192.29,60.03)
Net-(D27-Pad1): length 6.5
  Top w0.25: v1(232.79,59.53) 232.53,59.26 D27.1
  Bottom w0.25: v1(232.79,59.53) 233.47,60.2 SW55.2
Net-(D27-Pad2): length 9.6
  Top w0.25: D27.2 230.62,59.69 v1(229.79,60.53)
  Bottom w0.25: SW54.1 228.27,62.05 v1(229.79,60.53)
Net-(D28-Pad1): length 33
  Top w0.25: D28.1 278.26,57.05 v1(278.29,57.03)
  Bottom w0.25: v1(278.29,57.03) 278.29,65.68 SW56.1
Net-(D28-Pad2): length 106.3
  Top w0.25: v1(287.29,70.03) 259.79,70.03 252.06,62.29 D28.2
  Bottom w0.25: v1(287.29,70.03) 287.29,86.18 282.69,90.78 282.69,107.05 286.36,110.72 286.36,123.68 SW15.1
Net-(D29-Pad1): length 6.6
  Top w0.25: v1(51.79,40.03) 51.55,39.79 D29.1
  Bottom w0.25: SW58.2 52.68,40.92 v1(51.79,40.03)
Net-(D29-Pad2): length 18.3
  Top w0.25: v1(48.79,40.03) 49.65,39.16 D29.2
  Bottom w0.25: v1(48.79,40.03) 42.19,40.03 SW57.1
Net-(D30-Pad1): length 6.6
  Top w0.25: D30.1 89.65,40.89 v1(90.04,41.28)
  Bottom w0.25: v1(90.04,41.28) 90.75,41.99 SW60.2
Net-(D30-Pad2): length 9.6
  Top w0.25: v1(87.29,41.03) 87.75,40.56 D30.2
  Bottom w0.25: SW59.1 85.55,42.76 v1(87.29,41.03)
Net-(D31-Pad1): length 6.6
  Top w0.25: D31.1 127.75,39.99 v1(128.29,40.53)
  Bottom w0.25: v1(128.29,40.53) 128.85,41.09 SW62.2
Net-(D31-Pad2): length 9.6
  Top w0.25: v1(125.79,41.03) 125.85,40.96 D31.2
  Bottom w0.25: SW61.1 123.65,43.16 v1(125.79,41.03)
Net-(D32-Pad1): length 6.6
  Top w0.25: D32.1 165.85,40.59 v1(166.29,41.03)
  Bottom w0.25: v1(166.29,41.03) 166.95,41.69 SW64.2
Net-(D32-Pad2): length 9.6
  Top w0.25: v1(163.79,41.03) 163.95,40.86 D32.2
  Bottom w0.25: SW63.1 161.75,43.06 v1(163.79,41.03)
Net-(D33-Pad1): length 6.6
  Top w0.25: D33.1 203.95,39.69 v1(204.29,40.03)
  Bottom w0.25: SW66.2 205.05,40.79 v1(204.29,40.03)
Net-(D33-Pad2): length 9.6
  Top w0.25: D33.2 202.05,39.76 v1(201.79,40.03)
  Bottom w0.25: SW65.1 199.85,41.96 v1(201.79,40.03)
Net-(D34-Pad1): length 11.7
  Top w0.25: D34.1 242.05,39.29 v1(242.29,39.53)
  Bottom w0.25: v1(242.29,39.53) 246.87,44.1 SW68.2
Net-(D34-Pad2): length 9.6
  Top w0.25: v1(239.79,40.03) 240.15,39.66 D34.2
  Bottom w0.25: v1(239.79,40.03) 237.95,41.86 SW67.1
Net-(D35-Pad2): length 26
  Top w0.25: D35.2 281.75,45.03 294.29,45.03 v1(294.68,44.63)
  Bottom w0.25: v1(294.68,44.63) 295.1,44.21 SW69.1
Net-(D36-Pad1): length 6.6
  Top w0.25: D36.1 34.88,20.62 v1(35.29,21.03)
  Bottom w0.25: v1(35.29,21.03) 36.01,21.75 SW71.2
Net-(D36-Pad2): length 11.5
  Top w0.25: D36.2 32.98,19.83 v1(31.79,21.03)
  Bottom w0.25: SW70.1 26.05,26.77 v1(31.79,21.03)
Net-(D37-Pad1): length 57.2
  Top w0.25: v1(78.04,21.28) 77.74,20.98 D37.1
  Bottom w0.25: SW73.2 81.82,25.05 v1(78.04,21.28)
Net-(D37-Pad2): length 9.5
  Top w0.25: v1(75.84,22.58) D37.2
  Bottom w0.25: SW72.1 75.84,25.42 v1(75.84,22.58)
Net-(D38-Pad1): length 6.6
  Top w0.25: D38.1 218.24,20.48 v1(218.79,21.03)
  Bottom w0.25: v1(218.79,21.03) 219.34,21.58 SW75.2
Net-(D38-Pad2): length 9.6
  Top w0.25: D38.2 216.34,20.48 v1(215.79,21.03)
  Bottom w0.25: v1(215.79,21.03) 214.16,22.66 214.16,23.02 214.14,23.04 SW74.1
Net-(D39-Pad1): length 10.3
  Top w0.25: v1(256.29,22.03) 256.34,21.98 D39.1
  Bottom w0.25: SW76.1 252.24,26.07 v1(256.29,22.03)
Net-(D39-Pad2): length 9.4
  Top w0.25: v1(254.44,20.53) D39.2
  Bottom w0.25: SW77.2 261.97,20.53 v1(254.44,20.53)
Net-(D40-Pad1): length 54.5
  Top w0.25: v1(299.79,13.03) 298.29,11.53 255.29,11.53 254.44,12.38 D40.1
  Bottom w0.25: v1(299.79,13.03) 300.3,13.54 SW79.2
Net-(D40-Pad2): length 47.8
  Top w0.25: v1(293.79,13.03) 293.74,13.08 D40.2
  Bottom w0.25: v1(293.79,13.03) 295.12,14.36 295.12,22.81 SW78.1
Net-(SW13-Pad1): length 9.6
  Top w0.25: v1(253.79,122.03) 254.44,121.38 D7.2
  Bottom w0.25: SW13.1 252.18,123.64 v1(253.79,122.03)
Net-(SW18-Pad1): length 9.6
  Top w0.25: D9.2 63.94,96.88 v1(63.29,97.53)
  Bottom w0.25: SW18.1 61.68,99.14 v1(63.29,97.53)
Net-(SW22-Pad1): length 9.6
  Top w0.25: D11.2 140.14,97.18 v1(139.79,97.53)
  Bottom w0.25: v1(139.79,97.53) 137.88,99.44 SW22.1

## Copper pours and planes (outline as drawn; the poured copper is in the pictures)
GND on Top, Bottom: 332,141 332,-2 -2,-2 -2,142
